# Allegro board 038RT-9068CJK8E-A100_0921.brd (continued)
## Routing (per net, layer and track width the routed paths; a pad name or vN(x,y) marks a point on that pad's centre or on a via; arc(x,y) is an arc through that point) (continued)
SLOT1.CH122: length 136.2
  L21_SIGNAL w0.105: SLOT1-DOWN.E7 411.14,105.84 410.54,105.23 406.55,105.23 399.5,112.28 399.5,160.66 369.05,191.11 369.05,204.47 371.95,207.38 UNK1K11.3
SLOT1.CH123: length 145.5
  L21_SIGNAL w0.105: UNK1K223.3 370.7,223.92 370.7,215.77 366.38,211.45 366.38,192.7 398.9,160.17 398.9,112.03 406.3,104.64 409.89,104.64 SLOT1-DOWN.F6
SLOT1.CH124: length 350.6
  L44_SIGNAL w0.105: K7.10 149.34,24.72 149.34,55.37 157.34,63.37 406.87,63.37 424.35,80.85 424.35,99.89 422.4,101.84 SLOT1-DOWN.E5
SLOT1.CH125: length 157.9
  L21_SIGNAL w0.105: SLOT1-DOWN.F4 409.28,101.24 407.72,101.24 397.76,111.21 397.76,158.44 384.67,171.53 348.87,171.53 343.14,177.26 343.14,205.6 v1(343.73,206.2)
SLOT1.CH126: length 420.6
  L44_SIGNAL w0.105: SLOT1-DOWN.E3 410.72,97.84 400.43,108.13 400.43,148.31 387.19,161.54 214.11,161.54 181.72,193.93 137.02,193.93 135.11,195.83 135.11,222.63 133.46,224.28 133.46,240.54 131.68,242.32 107.81,242.32 106.54,241.05 106.54,238.75 v2(105.9,238.11)
  BOTTOM w0.115: UNK2R348.2 v2(105.9,238.11)
SLOT1.CH127: length 419.3
  L44_SIGNAL w0.105: SLOT1-DOWN.F2 399.92,106.6 399.92,148.1 386.98,161.04 213.9,161.04 181.51,193.42 136.81,193.42 134.6,195.62 134.6,222.42 132.95,224.07 132.95,240.33 131.47,241.81 108.44,241.81 107.81,241.17 107.81,238.75 v2(107.17,238.11)
  BOTTOM w0.115: UNK2R347.2 v2(107.17,238.11)
SLOT1.DGS0: length 0.5
  TOP w0.254: SLOT1-DOWN.B26 420.18,142.62 UNK1STB00.1
SLOT1.DGS64: length 0.5
  TOP w0.254: UNK1STB64.1 420.18,334.55 SLOT1-UP.B5
SLOT1.UB0: length 1165.4
  L24_RLY w0.203: UNK3K228.8 535.92,233.8 535.92,229.62 538.72,226.82 538.72,219.46 535.67,216.41 535.67,196.65 UNK1K228.8 537.38,194.62 535.8,193.04 535.8,175.89 543.42,168.28 543.42,111.52 516.98,85.09 427.47,85.09 422.18,90.37 SLOT1-DOWN.A1 ; K228.8 151.88,238.53 151.88,242.65 154.62,245.39 154.62,269.72 156.19,271.29 156.19,278.88 157.21,279.91 164.05,279.91 UNK2K228.8
  L38_SIGNAL w0.203: UNK2K228.8 163.05,278.91 163.05,269.44 162.85,269.24 147.56,269.24 145.78,267.46 145.78,257.81 140.7,252.73 125.71,252.73 124.09,251.1 124.09,243.03 123.1,242.04 123.1,237.08 120.33,234.31 120.33,180.31 127.44,173.19 158.13,173.19 174.62,156.71 174.62,91.46 188.86,77.22 506.34,77.22 515.68,86.56 515.68,156.41 532.62,173.35 568.93,173.35 571.74,176.17 571.74,222 569.71,224.03 558.53,224.03 553.96,228.6 552.94,228.6 551.16,230.38 551.16,233.17 550.4,233.93 538.7,233.93 UNK3K228.8
SLOT1.UB1: length 1223.5
  L24_RLY w0.203: UNK2K124.8 163.26,273.29 163.26,226.28 K124.8 ; UNK3K124.8 528.81,271.92 528.81,246.15 528.46,245.8 528.46,223.89 UNK1K124.8
  L36_SIGNAL w0.203: SLOT1-DOWN.B2 421.28,93.52 421.28,91.23 414.24,84.2 381.99,84.2 373.82,92.37 373.82,147.31 369.74,151.39 317.21,151.39 314.24,148.43 314.24,82.94 304.93,73.63 195.46,73.63 179.52,89.57 179.52,145.41 174.48,150.45 174.48,205.74 165.2,215.03 165.2,223.3 K124.8
  L38_SIGNAL w0.203: UNK3K124.8 525.06,277.62 525.06,293.16 521.31,296.91 521.31,376.96 495.05,403.23 185.91,403.23 175.12,392.43 175.12,303.91 162.04,290.83 162.04,277.68 UNK2K124.8
SLOT1.UB2: length 1150.7
  L24_RLY w0.203: SLOT1-DOWN.C1 418.18,91.33 425.69,83.82 517.51,83.82 544.69,111 544.69,170.18 538.97,175.89 538.97,186.99 UNK1K227.8 538.66,189.87 541.51,189.87 544.69,193.04 544.69,200.03 546.59,201.93 549.13,201.93 552.18,204.98 552.18,211.84 551.42,212.6 551.42,234.05 UNK3K227.8 ; UNK2K227.8 151.71,280.46 145.06,273.81 145.06,247.03 139,240.97 139,238.25 137.98,237.23 K227.8
  L38_SIGNAL w0.203: UNK3K227.8 554.21,233.66 554.21,231.65 555.08,230.78 570.06,230.78 572.5,228.35 572.5,175.13 569.45,172.08 532.62,172.08 516.95,156.41 516.95,85.92 507.46,76.43 188.54,76.43 173.83,91.13 173.83,156.22 157.75,172.3 127.07,172.3 119.44,179.94 119.44,234.8 120.48,235.84 120.48,241.12 122.18,242.82 122.18,251.23 124.95,254 140.95,254 145.02,258.06 145.02,277.62 150.21,282.81 UNK2K227.8
SLOT1.UB3: length 1216.4
  L24_RLY w0.203: UNK1K232.8 512.23,230.57 512.23,236.63 514.89,239.29 514.89,258.83 516.09,260.02 516.09,270.84 UNK3K232.8 ; K232.8 176.87,219.56 176.39,220.04 176.39,239.4 176.18,239.6 175.5,239.6 174.99,240.11 174.99,262.46 UNK2K232.8
  L36_SIGNAL w0.203: SLOT1-DOWN.C3 419.23,95.57 419.23,90.76 414.01,85.54 382.54,85.54 375.16,92.92 375.16,147.86 370.3,152.73 316.65,152.73 312.9,148.98 312.9,83.5 304.38,74.97 196.66,74.97 181.81,89.83 181.81,146.05 176.39,151.47 176.39,204.47 180.16,208.24 180.16,217.9 K232.8
  L38_SIGNAL w0.203: UNK2K232.8 174.97,264.92 167.88,264.92 165.85,266.95 165.85,278.13 168.13,280.42 168.13,294.64 176.39,302.89 176.39,391.79 186.55,401.96 494.13,401.96 519.68,376.41 519.68,281.36 515.62,277.31 515.62,274.49 UNK3K232.8
SLOT1.UB4: length 473.5
  L24_RLY w0.203: UNK3K34.8 429.96,270.95 429.96,258.85 430.72,258.09 430.72,220.9 430.39,220.57 430.39,214.12 429.28,213.01 UNK1K34.8 ; UNK2K34.8 308.11,270.47 308.11,212.8 309.28,211.64 K34.8
  L36_SIGNAL w0.203: SLOT1-DOWN.D1 416.18,91.33 414,89.15 401.94,89.15 395.64,95.46 395.64,140.97 365.82,170.79 319.82,170.79 310.3,180.3 310.3,197.47 309.79,197.98 309.79,211.12 K34.8
  L38_SIGNAL w0.203: UNK3K34.8 425.47,275.44 417.36,275.44 411.51,281.28 405.34,281.28 398.13,288.49 380.81,288.49 375.96,293.34 355.24,293.34 351.4,289.5 313.61,289.5 307.81,283.69 307.81,273.1 UNK2K34.8
SLOT1.UB5: length 1211.4
  L24_RLY w0.203: UNK1K233.8 511.49,225.1 511.49,237.77 513.67,239.95 513.67,258.55 515.27,260.15 515.27,265.44 UNK3K233.8 ; K233.8 177.32,225.76 177.12,225.96 177.12,239.67 177.56,240.11 177.56,254.08 176.01,255.63 176.01,259.16 176.21,259.36 176.97,259.36 177.28,259.66 177.28,268.82 UNK2K233.8
  L36_SIGNAL w0.203: K233.8 181.06,223.2 181.06,207.24 177.66,203.84 177.66,151.98 182.95,146.69 182.95,91.22 197.34,76.84 303.61,76.84 311.04,84.27 311.04,149.75 315.88,154.59 371.07,154.59 377.02,148.64 377.02,93.7 383.32,87.4 414.45,87.4 417.26,90.21 417.26,93.54 SLOT1-DOWN.D2
  L38_SIGNAL w0.203: UNK3K233.8 511.79,268.92 511.79,276 517.35,281.56 517.35,376.67 493.34,400.69 187.18,400.69 177.66,391.16 177.66,301.62 168.89,292.86 168.89,279.91 166.86,277.88 166.86,272.29 167.88,271.27 174.83,271.27 UNK2K233.8
SLOT1.UB6: length 517.5
  L24_RLY w0.203: K140.8 237.98,215.89 237.98,226.82 237.21,227.6 237.21,241.82 238.2,242.82 238.2,251 236.79,252.42 236.79,271.92 UNK2K140.8 ; UNK1K140.8 355.4,215.62 356.88,217.1 356.88,263.27 354.29,265.86 354.29,272.2 UNK3K140.8
  L36_SIGNAL w0.203: UNK1K140.8 353.86,211.77 353.86,200.45 351.9,198.49 351.9,186.31 396.96,141.25 396.96,96.01 402.49,90.48 412.92,90.48 415.14,92.71 415.14,95.57 SLOT1-DOWN.D3
  L38_SIGNAL w0.203: UNK1K140.8 359.22,209.49 359.22,195.55 342.71,179.04 322.44,179.04 315.82,185.67 315.82,221.34 304.21,232.95 231.32,232.95 226.54,228.18 226.54,212.49 226.97,212.06 234.15,212.06 K140.8
SLOT1.UB7: length 509.4
  L24_RLY w0.203: UNK3K64.8 355.91,266.2 358,264.11 358,216.33 357.23,215.56 357.23,208.03 UNK1K64.8 ; UNK2K64.8 234.2,265 234.2,262.25 234.6,261.85 235.24,261.85 235.54,261.54 235.54,252.58 237.5,250.63 237.5,243.66 236.43,242.6 236.43,226.34 236.97,225.81 236.97,217.27 234.07,214.38 234.07,206.5 234.38,206.2 K64.8
  L36_SIGNAL w0.203: UNK1K64.8 357.01,204.59 357.01,200.11 352.86,195.96 352.86,186.71 397.92,141.65 397.92,96.4 402.89,91.44 412.74,91.44 414.26,92.96 414.26,96.69 SLOT1-DOWN.D4
  L38_SIGNAL w0.203: K64.8 235.14,206.45 235.14,207.22 234.32,208.04 227.17,208.04 225.79,209.42 225.79,229.36 230.12,233.69 304.72,233.69 318.56,219.86 318.56,184.71 323.13,180.14 341.61,180.14 357.67,196.19 357.67,203.93 UNK1K64.8
SLOT1.UB12: length 1101.6
  L15_SIGNAL w0.203: UNK1K212.8 373.31,52.01 367.87,52.01 366.76,50.91 366.76,20.7 361.43,15.37 279.51,15.37 273.92,20.96 258.43,20.96 256.38,23.01 241.26,23.01 234.2,15.94 203.03,15.94 186.74,32.23 177.73,32.23 176.74,33.23 176.74,40.72 175.62,41.83 175.62,43.49 176.52,44.39 184.15,44.39 188.67,48.91 191.07,48.91 K212.8
  L24_RLY w0.203: UNK1K212.8 376.67,52.05 376.67,61.21 378.78,63.33 378.78,166.56 363.2,182.14 363.2,314.61 357.21,320.61 357.21,404.52 347.1,414.63 323.73,414.63 321.88,416.49 321.88,426.01 320.91,426.97 315.4,426.97 UNK2K212.8
  L36_SIGNAL w0.203: UNK2K212.8 315.55,424 315.55,411.89 328.16,399.28 394.04,399.28 402.08,391.24 402.08,330.87 409.77,323.18 412.82,323.18 SLOT1-UP.D1
  L44_SIGNAL w0.203: UNK2K212.8 315.49,424.07 320.21,424.07 321.61,422.66 330.5,422.66 333.29,425.44 354.57,425.44 355.95,424.07 355.95,421.02 361.3,415.67 420.86,415.67 423.15,417.96 423.15,427.71 425.02,429.59 437.33,429.59 441.54,425.38 441.54,418.25 444.82,414.97 483.02,414.97 487.52,419.47 487.52,423.22 488.23,423.93 490.14,423.93 UNK3K212.8
SLOT1.UB13: length 1061.1
  L15_SIGNAL w0.203: K211.8 186.31,48.11 183.32,45.12 176.3,45.12 174.66,43.48 174.66,32.5 175.43,31.72 186.03,31.72 199.11,18.64 199.23,18.64 199.58,18.29 199.58,18.17 202.42,15.33 234.6,15.33 241.5,22.22 256.02,22.22 258.05,20.19 273.16,20.19 278.62,14.73 362.06,14.73 367.41,20.08 367.41,49 UNK1K211.8
  L24_RLY w0.203: UNK1K211.8 367.27,51.85 367.27,69.47 350.83,85.9 350.83,164.24 333.1,181.98 333.1,295.05 328.15,300 328.15,393.99 318.82,403.32 318.82,424.18 UNK2K211.8
  L36_SIGNAL w0.203: SLOT1-UP.E1 413.42,326.43 411.64,324.65 410.52,324.65 403.63,331.55 403.63,394.29 395.94,401.98 329.28,401.98 321.57,409.68 321.57,424.19 UNK2K211.8
  L44_SIGNAL w0.203: UNK2K211.8 322.42,423.34 330.48,423.34 333.46,426.33 354.58,426.33 356.47,424.44 356.47,421.39 361.55,416.31 420.35,416.31 422.39,418.34 422.39,428.3 424.62,430.53 437.63,430.53 442.49,425.66 442.49,419.47 446.24,415.73 482.26,415.73 486.05,419.52 486.05,425.71 487.72,427.38 496.16,427.38 UNK3K211.8
SLOT1.UB14: length 1075.1
  L15_SIGNAL w0.203: UNK1K4.12 358.38,42.28 358.38,32.38 359.77,30.99 359.77,22.1 357.11,19.43 277.61,19.43 275.32,21.72 259.44,21.72 257.35,23.81 240.84,23.81 234.04,17.02 204.34,17.02 185.91,35.44 180.37,35.44 179.4,36.4 178.34,36.4 177.71,37.03 177.71,41.77 K4.12
  L24_RLY w0.203: UNK2K4.12 326.73,432.05 310.37,432.05 305.37,427.06 305.37,406.76 321.87,390.26 321.87,275.37 322.87,274.37 322.87,269.49 321.54,268.15 321.54,217.01 322.74,215.8 322.74,209.72 321.62,208.6 321.62,181.64 334.87,168.4 334.87,81.88 344.53,72.21 349.16,72.21 356.98,64.39 356.98,56.57 360.33,53.21 360.33,44.76 UNK1K4.12
  L36_SIGNAL w0.203: UNK2K4.12 327.76,433.08 324.48,433.08 323.07,431.67 323.07,410.54 329.24,404.37 397.54,404.37 406.02,395.89 406.02,332.43 SLOT1-UP.F1
  L44_SIGNAL w0.203: UNK3K4.12 505.15,432.69 499.35,432.69 496.93,430.28 488.55,430.28 484.87,426.59 484.87,420.24 481.19,416.56 447.28,416.56 443.59,420.24 443.59,425.83 438.01,431.42 423.91,431.42 420.99,428.5 420.99,418.47 419.59,417.07 362.31,417.07 357.36,422.02 357.36,429.64 354.82,432.18 332.29,432.18 UNK2K4.12
SLOT1.UB15: length 1090.6
  L24_RLY w0.203: UNK3K5.12 374.41,434.09 372.15,436.34 318.99,436.34 317.07,434.42 295.35,434.42 293.59,432.66 293.59,409.38 305.52,397.45 305.52,306.8 309.28,303.04 309.28,280.82 310.58,279.53 310.58,271.02 309.91,270.36 309.91,258.39 310.85,257.45 310.85,220.73 310.42,220.29 310.42,210.9 309.74,210.21 309.74,198.63 311.64,196.72 311.64,87.38 307.35,83.08 307.35,45.52 K5.12
  L36_SIGNAL w0.203: SLOT1-UP.F3 408.52,333.94 408.52,397.58 397.54,408.56 377.37,408.56 371.84,414.1 371.84,427.71 UNK3K5.12
  L40_SIGNAL w0.203: UNK1K5.12 494.85,44.88 492.62,47.12 492.62,61.72 490.71,63.63 445.37,63.63 444.1,62.36 444.1,49.15 441.31,46.35 429.37,46.35 424.8,50.93 424.8,58.42 421.88,61.34 314.69,61.34 311.51,58.17 311.51,45.87 K5.12
  L44_SIGNAL w0.203: UNK3K5.12 372.25,432.44 356.85,432.44 356.09,433.2 333.1,433.2 330.06,436.25 323.33,436.25 321.55,434.47 321.55,432.31 319.9,430.66 309.23,430.66 306.18,427.61 306.18,416.94 305.67,416.43 266.68,416.43 265.16,417.96 265.16,427.1 262.37,429.89 246.87,429.89 244.71,427.74 244.71,417.45 242.55,415.29 201.53,415.29 198.87,417.96 198.87,429.05 UNK2K5.12
SLOT2.CH0: length 195.8
  L44_SIGNAL w0.105: SLOT2-UP.B27 255.77,396.36 248.27,403.86 169.66,403.86 160,413.51 160,437.26 157.84,439.42 112.78,439.42 v2(110.52,437.16)
SLOT2.CH1: length 484
  TOP w0.115: UNK2HOST2.27 223.85,443.12 223.61,443.35 223.61,446.89 v2(221.39,449.12) v2(221.39,451.66)
  L19_SIGNAL w0.105: v2(221.39,451.66) 220.68,452.37 220.68,455.07 208.3,467.45 66.18,467.45 64.23,465.5 64.23,403.7 50.35,389.82 50.35,381.33 53.4,378.29 68.27,378.29 70.17,380.19 191.02,380.19 194.3,383.46 253.8,383.46 256.8,380.46 256.8,377.51 SLOT2-UP.A26
SLOT2.CH2: length 179.2
  L21_SIGNAL w0.105: S2_TAPSL0.2 115.05,431.58 115.05,419.99 122.79,412.24 229.47,412.24 246.62,395.1 246.62,385.7 252.71,379.6 252.71,377.59 SLOT2-UP.C26
  BOTTOM w0.115: UNK2RD79.2 S2_TAPSL0.2
SLOT2.CH3: length 493.3
  TOP w0.115: v2(222.91,451.66) v2(222.91,449.12) 224.89,447.14 224.89,443.15 224.25,442.51 UNK2HOST2.26
  L19_SIGNAL w0.105: SLOT2-UP.B25 254.8,375.51 254.8,379.69 251.83,382.66 195.59,382.66 187.75,374.82 51.7,374.82 49.1,377.42 49.1,389.67 62.28,402.85 62.28,465.15 65.68,468.54 208.8,468.54 222.22,455.12 222.22,452.35 v2(222.91,451.66)
SLOT2.CH4: length 188
  L21_SIGNAL w0.105: SLOT2-UP.A24 262.24,377.01 262.24,382.27 269.73,389.76 291.96,389.76 303.77,377.95 303.77,334.01 319.26,318.52 319.26,276.23 319.77,275.72 319.77,265.3 317.23,262.76 315.08,262.76 v2(313.76,261.45)
SLOT2.CH5: length 570.8
  TOP w0.115: v2(283.4,451.66) v2(283.4,449.12) 285.62,446.89 285.62,443.35 285.86,443.12 UNK2HOST1.27
  L19_SIGNAL w0.105: SLOT2-UP.C24 252.7,373.61 252.7,379.19 250.01,381.89 196.32,381.89 181.81,367.38 51.47,367.38 47.53,371.33 47.53,404.62 49.98,407.07 56.17,407.07 59.81,410.71 59.81,465.92 63.83,469.94 266.93,469.94 282.65,454.22 282.65,452.41 v2(283.4,451.66)
SLOT2.CH6: length 388.9
  L34_SIGNAL w0.105: SLOT2-UP.B23 256.61,369.7 258.43,369.7 259.83,371.09 259.83,377.59 266.7,384.47 471.22,384.47 480.29,375.39 480.29,304.75 493.51,291.54 493.51,260.22 490.11,256.82 UNK1K180.4
SLOT2.CH7: length 333.8
  L32_SIGNAL w0.105: UNK3K180.4 490.11,316.2 483.22,323.09 483.22,370.59 472.17,381.64 269.24,381.64 267.11,379.51 267.11,377.88 SLOT2-UP.A22
SLOT2.CH8: length 198.4
  L34_SIGNAL w0.105: K180.4 199.5,219.27 199.5,256.67 197.85,258.32 197.85,311.15 200.9,314.2 225.15,314.2 235.31,324.36 235.31,361.95 238.62,365.25 245.86,365.25 246.36,365.76 247.76,365.76 248.9,366.9 250.68,366.9 251.44,367.66 252.89,367.66 SLOT2-UP.C22
SLOT2.CH9: length 158.9
  L32_SIGNAL w0.105: UNK2K180.4 197.47,263.14 197.47,315.21 203.06,320.8 232.14,320.8 235.82,324.49 235.82,363.6 236.84,364.62 245.73,364.62 246.49,363.86 247.63,363.86 248.65,364.87 250.43,364.87 251.19,365.63 254.86,365.63 SLOT2-UP.B21
SLOT2.CH10: length 179.2
  L21_SIGNAL w0.105: SLOT2-UP.A20 264.78,371.55 264.78,381 272.08,388.3 290.5,388.3 300.97,377.82 300.97,333.12 317.99,316.1 317.99,270.12 v1(316.94,269.07)
SLOT2.CH11: length 192.3
  L21_SIGNAL w0.105: SLOT2-UP.C20 254.6,365.38 256.02,365.38 256.78,366.14 256.78,366.9 257.29,367.41 257.92,367.41 263,372.49 263,381.25 270.75,389 291.45,389 302.5,377.95 302.5,333.5 318.37,317.63 318.37,267.21 316.06,264.89 314.97,264.89 314.07,263.99 v2(313.76,263.99)
SLOT2.CH12: length 169.3
  L21_SIGNAL w0.105: SLOT2-UP.B19 256.57,363.35 258.81,363.35 267.19,371.73 267.19,379.86 273.8,386.46 289.42,386.46 298.56,377.32 298.56,331.6 315.83,314.32 315.83,277.97 v2(314.72,276.86)
SLOT2.CH13: length 168.6
  L21_SIGNAL w0.105: SLOT2-UP.A18 259.43,360.54 269.35,370.46 269.35,378.84 275.19,384.68 288.42,384.68 296.15,376.95 296.15,329.7 311.01,314.84 311.01,273.1 UNK2K34.7
SLOT2.CH14: length 171.6
  L21_SIGNAL w0.105: SLOT2-UP.C18 254.79,361.57 258.56,361.57 268.72,371.73 268.72,379.1 275.19,385.57 288.78,385.57 297.42,376.94 297.42,330.83 314.05,314.2 314.05,276.41 UNK2K34.2
SLOT2.CH15: length 174
  L21_SIGNAL w0.105: SLOT2-UP.B17 256.55,357.76 260.59,357.76 270.75,367.92 270.75,378.21 275.32,382.78 287.13,382.78 293.99,375.92 293.99,327.91 308.21,313.68 308.21,268.9 v1(310.59,266.53)
SLOT2.CH16: length 124.5
  L21_SIGNAL w0.102: 276.14,262.44 277.92,264.22 280.1,264.22 v1(280.5,263.82)
  L21_SIGNAL w0.105: SLOT2-UP.A16 258.1,356.87 259.44,356.87 263.13,353.19 263.13,290.96 258.43,286.26 258.43,276.61 257.92,276.1 257.92,262.38 259.19,261.11 274.81,261.11 276.14,262.44
SLOT2.CH17: length 123.7
  L21_SIGNAL w0.102: v1(280.5,264.62) 280.1,265.02 277.07,265.02 276.81,264.76
  L21_SIGNAL w0.105: SLOT2-UP.C16 254.48,357.25 259.95,357.25 263.51,353.69 263.51,290.45 260.08,287.02 260.08,265.56 262.87,262.76 274.81,262.76 276.81,264.76
SLOT2.CH18: length 86.3
  L21_SIGNAL w0.105: UNK2K11.3 253.86,279.46 253.86,289.81 262.37,298.32 262.37,351.79 260.33,353.82 256.49,353.82 SLOT2-UP.B15
SLOT2.CH19: length 74.9
  L21_SIGNAL w0.105: SLOT2-UP.A14 259.2,352.54 261.6,350.14 261.6,302.51 250.68,291.59 250.68,286.44 UNK2K223.3
SLOT2.CH20: length 82.1
  L21_SIGNAL w0.105: UNK2K11.10 253.09,283.77 253.09,289.81 261.98,298.7 261.98,351.15 259.83,353.31 254.54,353.31 SLOT2-UP.C14
SLOT2.CH21: length 122.5
  L21_SIGNAL w0.105: SLOT2-UP.B13 256.8,349.5 258.68,349.5 260.84,347.35 260.84,313.42 252.22,304.8 223.32,304.8 220.58,302.06 220.58,269.35 v1(223.73,266.2)
SLOT2.CH22: length 377.3
  L34_SIGNAL w0.105: SLOT2-UP.A12 263.07,353.84 263.07,374.87 269.32,381.13 321.85,381.13 330.18,372.79 330.18,330.2 333.99,326.39 333.99,268.48 341.49,260.99 347.96,260.99 351.52,257.43 351.52,247.78 361.04,238.25 430.98,238.25 441.59,227.64 441.59,214.4 440.2,213.01 440.2,200.4 436.84,197.05 432.45,197.05 v1(430.59,198.91)
SLOT2.CH23: length 340.6
  L32_SIGNAL w0.105: SLOT2-UP.C12 254.73,349.5 258.56,349.5 264.91,355.85 264.91,372.79 271.94,379.82 432.45,379.82 434.43,377.84 434.43,299.08 445.37,288.13 445.37,264.92 437.5,257.05 432.45,257.05 v1(430.59,258.91)
SLOT2.CH24: length 228.5
  L34_SIGNAL w0.105: SLOT2-UP.B11 256.6,345.71 256.6,344.18 257.31,343.48 258.3,343.48 259.95,341.82 259.95,323.28 243.42,306.75 243.42,260.06 239.78,256.42 239.78,203.71 243.95,199.54 275.17,199.54 278.49,196.22 307.9,196.22 v1(310.59,198.91)
SLOT2.CH25: length 125.1
  L32_SIGNAL w0.105: v1(310.59,258.91) 307.83,261.66 307.83,292.74 299.7,300.86 269.6,300.86 260.21,310.26 260.21,342.1 SLOT2-UP.A10
SLOT2.CH26: length 124.4
  L21_SIGNAL w0.105: v1(223.73,263) 219.19,267.55 219.19,302.64 222.49,305.94 251.75,305.94 260.46,314.66 260.46,343.41 258.43,345.44 254.67,345.44 SLOT2-UP.C10
SLOT2.CH27: length 141.3
  L21_SIGNAL w0.105: SLOT2-UP.B9 256.63,343.41 259.19,343.41 260.08,342.52 260.08,315.71 251.32,306.96 187.18,306.96 183.24,303.02 183.24,277.22 UNK2K183.5
SLOT2.CH28: length 161
  L21_SIGNAL w0.105: SLOT2-UP.A8 258.5,340.54 259.32,339.73 259.32,317.47 250.59,308.74 174.48,308.74 168.26,302.51 168.26,280.92 167.5,280.16 167.5,264.79 UNK2K232.5
SLOT2.CH29: length 163.4
  L21_SIGNAL w0.105: SLOT2-UP.C8 254.73,341.5 258.94,341.5 259.7,340.74 259.7,316.59 250.96,307.85 175.24,307.85 169.02,301.62 169.02,281.69 169.78,280.92 169.78,267.86 UNK2K233.4
SLOT2.CH30: length 370.9
  L11_SIGNAL w0.102: 277.68,262.62 280.1,262.62 v1(280.5,263.02)
  L11_SIGNAL w0.105: v2(131.24,243.34) 135.3,247.4 170.78,247.4 172.5,249.12 183.81,249.12 192.27,257.58 242.27,257.58 244.81,260.13 274.77,260.13 277.26,262.62 277.68,262.62
  L21_SIGNAL w0.105: SLOT2-UP.B7 256.7,339.47 258.17,339.47 258.94,338.71 258.94,318.16 250.27,309.5 145.58,309.5 133.13,297.05 133.13,245.24 v2(131.24,243.34)
SLOT2.CH31: length 363.7
  L11_SIGNAL w0.102: 277.68,263.42 280.9,263.42 v1(281.3,263.02)
  L11_SIGNAL w0.105: v2(131.24,244.86) 134.53,248.15 168.29,248.15 169.89,249.75 183.39,249.75 192.02,258.38 241.93,258.38 244.48,260.93 274.44,260.93 276.93,263.42 277.68,263.42
  L21_SIGNAL w0.105: SLOT2-UP.A6 258.56,335.75 258.56,318.68 250.01,310.13 145.78,310.13 132.83,297.18 132.83,246.45 v2(131.24,244.86)
SLOT2.CH32: length 91.9
  L19_SIGNAL w0.102: v1(282.9,204.62) 282.5,205.02 282.5,205.72 282.4,205.82 275.87,205.82 275.19,206.5 264.65,206.5 262.24,204.09 262.24,160.5 259.5,157.76 259.5,140.77 258.43,139.7 256.86,139.7 SLOT2-DOWN.B24
SLOT2.CH33: length 83.7
  L19_SIGNAL w0.102: v1(281.3,203.82) 280.9,204.22 276.81,204.22
  L19_SIGNAL w0.105: 276.81,204.22 272.02,204.22 264.65,196.85 264.65,160.66 261.1,157.1 261.1,138.68 259.02,136.61 SLOT2-DOWN.A23
SLOT2.CH34: length 91.4
  L19_SIGNAL w0.102: 276.81,205.02 280.9,205.02 v1(281.3,204.62)
  L19_SIGNAL w0.105: 276.81,205.02 267.11,205.02 266.56,204.47 265.03,204.47 263.64,203.07 263.64,160.77 260.3,157.43 260.3,139.28 258.56,137.54 254.7,137.54 SLOT2-DOWN.C23
SLOT2.CH35: length 84.6
  L19_SIGNAL w0.102: 282.5,199.33 282.5,203.42 v1(282.9,203.82)
  L19_SIGNAL w0.105: 282.5,199.33 282.5,189.03 280.58,187.11 276,187.11 272.11,183.21 272.11,165.95 261.95,155.79 261.95,138.26 259.32,135.64 256.79,135.64 SLOT2-DOWN.B22
SLOT2.CH36: length 168.2
  L21_SIGNAL w0.105: K8.5 183.63,236.85 183.63,235.84 180.7,232.92 180.7,197.61 184.83,193.48 192.31,193.48 200.26,185.53 200.26,176.59 204.71,172.15 237.05,172.15 256.8,152.4 256.8,133.57 SLOT2-DOWN.A21
  BOTTOM w0.115: CD175.1 K8.5
SLOT2.CH37: length 88.7
  L19_SIGNAL w0.102: v1(283.7,203.82) 283.3,203.42 283.3,199.33
  L19_SIGNAL w0.105: 283.3,199.33 283.3,188.7 280.91,186.31 276.34,186.31 272.91,182.88 272.91,164.85 262.75,154.69 262.75,137.41 259.19,133.86 255.01,133.86 SLOT2-DOWN.C21
SLOT2.CH38: length 463.4
  L34_SIGNAL w0.105: SLOT2-DOWN.B20 256.71,129.67 258.05,129.67 259.44,128.27 259.44,101.72 272.07,89.1 496.53,89.1 511.55,104.13 511.55,237.75 519.79,245.99 519.79,258.44 518.4,259.84 518.4,264.67 518.91,265.18 520.11,265.18 UNK3K233.5
SLOT2.CH39: length 420.1
  L32_SIGNAL w0.105: UNK1K233.5 520.17,221.11 518.91,221.11 518.4,220.6 518.4,212.47 519.41,211.45 519.41,184.24 517.07,181.9 517.07,103.36 501.59,87.88 273.16,87.88 261.6,99.43 261.6,124.77 SLOT2-DOWN.A19
SLOT2.CH40: length 300.5
  L34_SIGNAL w0.105: SLOT2-DOWN.C19 252.79,127.64 250.81,127.64 249.54,128.91 248.9,128.91 247.89,127.89 239.25,127.89 238.24,126.87 238.24,93.47 235.06,90.3 194.46,90.3 153.15,131.61 153.15,188.34 153.65,188.85 153.65,225.55 151.75,227.46 151.75,244.47 153.91,246.63 153.91,253.11 155.69,254.89 155.69,256.97 UNK2K233.5
SLOT2.CH41: length 199.8
  L32_SIGNAL w0.105: K233.5 166.31,225.76 165.46,224.92 165.46,198.5 166.48,197.49 166.48,190.37 164.58,188.47 164.58,167.13 175.37,156.34 175.37,125.09 180.45,120.02 195.18,120.02 197.09,121.92 197.72,121.92 198.74,120.9 200.52,120.9 201.15,121.54 223,121.54 223.63,120.9 225.28,120.9 226.17,121.79 239.51,121.79 245.47,127.76 247.38,127.76 248.52,128.91 249.79,128.91 250.94,127.76 254.62,127.76 SLOT2-DOWN.B18
SLOT2.CH42: length 160.6
  L19_SIGNAL w0.1: v1(330.83,219.48) 330.83,218.79 330.73,218.69 326.87,218.69 322.94,214.76 322.94,210.06 318.37,205.49 318.37,160.27 314.56,156.46 268.08,156.46 264.29,152.67 264.29,126.13 261.83,123.68 258.7,123.68 SLOT2-DOWN.A17
  BOTTOM w0.115: MUX15.6 330.18,218.83 v1(330.83,219.48)
SLOT2.CH43: length 164.7
  L19_SIGNAL w0.1: SLOT2-DOWN.C17 255.06,123.32 261.98,123.32 264.65,125.98 264.65,152.52 268.23,156.1 314.71,156.1 318.74,160.12 318.74,205.34 323.31,209.91 323.31,214.61 327.03,218.32 330.73,218.32 330.83,218.22 v1(330.83,217.53)
  BOTTOM w0.115: v1(330.83,217.53) 330.18,218.18 MUX15.7
SLOT2.CH44: length 154.5
  L19_SIGNAL w0.1: v1(330.83,208.05) 330.83,207.36 330.73,207.26 326.87,207.26 321.93,202.31 321.93,159 317.48,154.56 272.39,154.56 268.86,151.03 268.86,124.86 265.77,121.78 256.6,121.78 SLOT2-DOWN.B16
  BOTTOM w0.115: MUX5.6 330.18,207.4 v1(330.83,208.05)
SLOT2.CH45: length 152.5
  L19_SIGNAL w0.1: SLOT2-DOWN.A15 258.57,121.41 265.92,121.41 269.22,124.71 269.22,150.88 272.54,154.2 317.63,154.2 322.29,158.85 322.29,202.16 327.03,206.89 330.73,206.89 330.83,206.79 v1(330.83,206.1)
  BOTTOM w0.115: v1(330.83,206.1) 330.18,206.75 MUX5.7
SLOT2.CH46: length 149.4
  L19_SIGNAL w0.1: SLOT2-DOWN.C15 254.51,119.87 258.45,119.87 258.96,119.36 268.18,119.36 270.64,121.82 270.64,148.73 273.92,152.02 320.4,152.02 326.24,157.86 326.24,185.3 329.57,188.62 329.57,192.51 328.42,193.65 328.42,194.97 329.28,195.83 330.73,195.83 330.83,195.93 v1(330.83,196.62)
  BOTTOM w0.115: v1(330.83,196.62) 330.18,195.97 MUX2.6
SLOT2.CH47: length 147.5
  L19_SIGNAL w0.1: v1(330.83,194.67) 330.83,195.36 330.73,195.46 329.43,195.46 328.79,194.82 328.79,193.8 329.93,192.66 329.93,188.47 326.61,185.15 326.61,157.71 320.56,151.66 274.07,151.66 271,148.58 271,121.67 268.33,119 258.81,119 258.3,119.51 256.66,119.51 SLOT2-DOWN.B14
  BOTTOM w0.115: MUX2.7 330.18,195.32 v1(330.83,194.67)
SLOT2.CH48: length 183.2
  L21_SIGNAL w0.105: SLOT2-DOWN.A13 256.78,117.6 256.78,118.97 256.1,119.65 255.41,119.65 254.77,120.28 254.77,153.06 237.46,170.37 204.81,170.37 199.16,176.02 199.16,184.86 191.71,192.31 184.23,192.31 180.07,196.47 180.07,238.38 K8.8
  BOTTOM w0.115: UNK2CD175.1 K8.8
SLOT2.CH49: length 163.6
  L21_SIGNAL w0.105: SLOT2-DOWN.C13 252.79,117.59 252.79,153.2 236.76,169.23 204.63,169.23 198.27,175.59 198.27,184.18 191.26,191.19 183.64,191.19 171.94,202.88 171.94,221.52 K233.4
SLOT2.CH50: length 267.5
  L11_SIGNAL w0.102: 277.68,202.62 280.1,202.62 v1(280.5,203.02)
  L11_SIGNAL w0.105: 277.68,202.62 277.28,202.62 274.99,200.33 220.52,200.33 218.74,198.55 167.57,198.55 v2(165.73,196.71)
  L21_SIGNAL w0.105: v2(165.73,196.71) 172.97,196.71 182.08,187.6 189.51,187.6 195.01,182.11 195.01,174.3 203.82,165.48 235.05,165.48 241.88,158.65 241.88,121.87 245.84,117.91 247.63,117.91 248.85,116.69 249.96,116.69 250.89,115.77 254.6,115.77 SLOT2-DOWN.B12